# Altium PCB STLINK_V1.0.1.PcbDoc (continued)
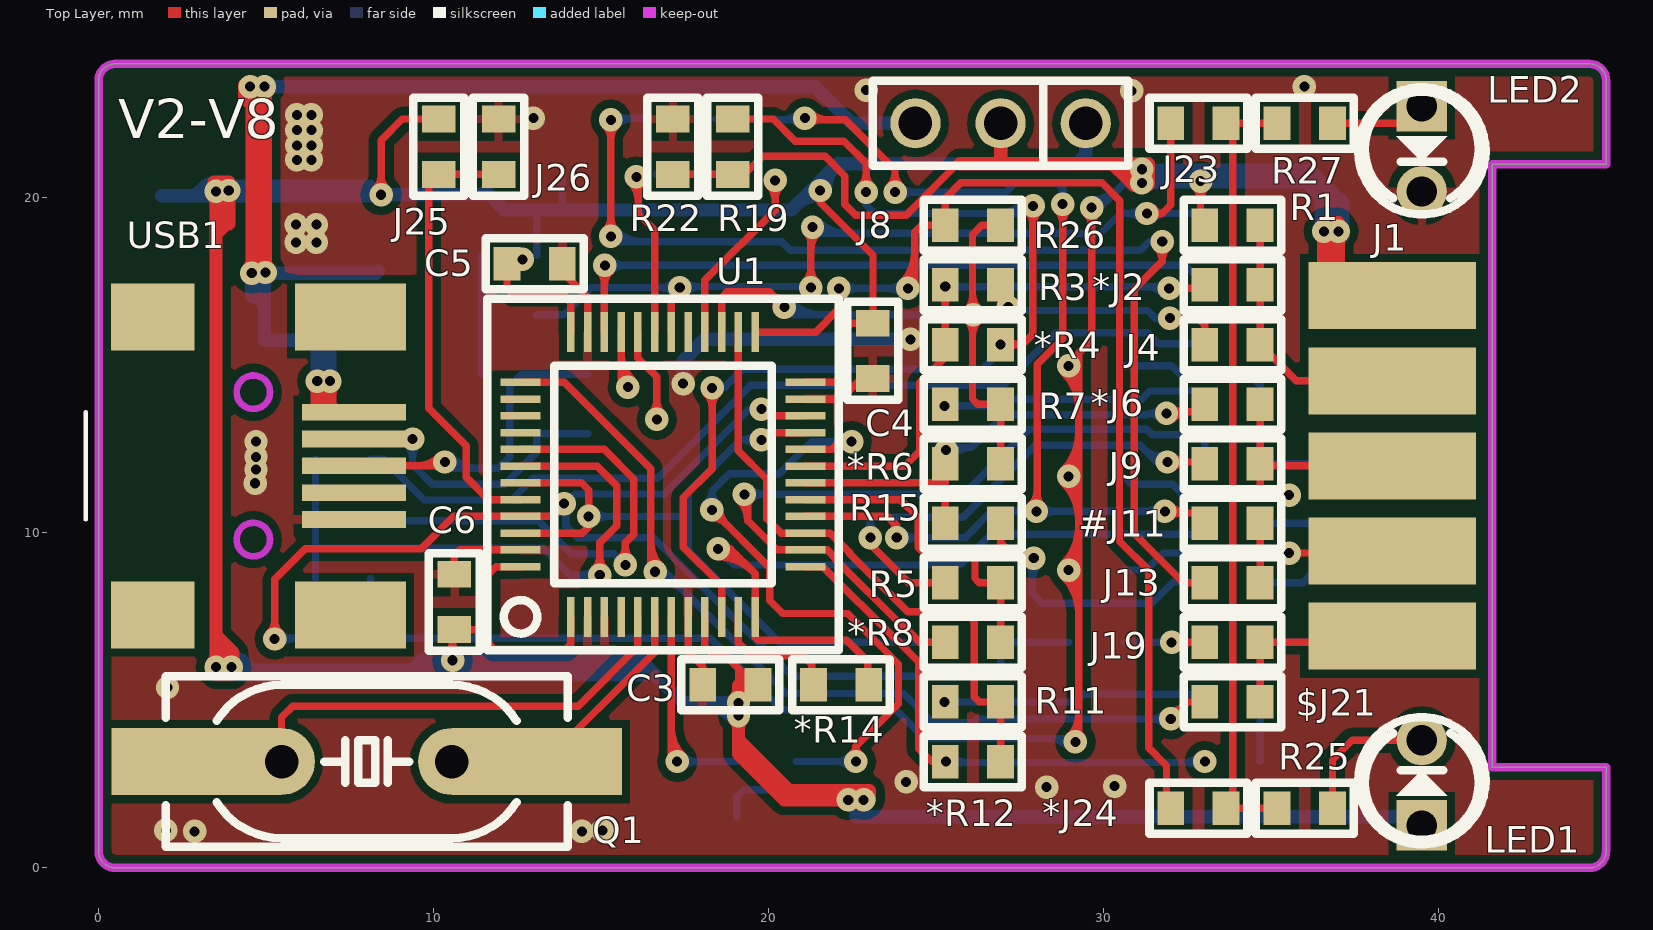
[diagram p0: Top Layer view]
## Nets (pads, with @x,y where several pads share a name; then routed paths per layer and width w, separated by ;. In a path a pad name is that pad's centre, name@x,y a point inside that pad or via, vN(x,y) a via of type N, cw(c..) or ccw(c..) an arc to the next point about the centre after c; other vN are vias at no path point) (continued)
  Bottom Layer w0.22: *J22.2 13.894,16.51 14.707,17.323 v1(17.348,17.323) 17.378,17.353 21.23,17.353 v1(21.26,17.323) ; v1@17.178,17.153 ccw(c16.769,16.743) 16.769,17.323 ccw(c16.769,17.902) v1@17.178,17.493 ; v1@17.518,17.153 cw(c18,16.671) 18,17.353 ; v1@17.518,17.493 ccw(c17.856,17.83) 17.856,17.353 ; v1(21.311,19.126) 21.488,18.948 29.921,18.948 30.505,19.533 v1(31.293,19.533) #J16.2@32.664,19.533 ; v1@21.325,19.14 ccw(c21.788,19.604) 21.788,18.948 ; v1@21.48,19.296 ccw(c22.319,20.135) 22.319,18.948 ; v1@31.123,19.363 ccw(c30.713,18.953) 30.713,19.533 ccw(c30.713,20.112) v1@31.123,19.702 ; v1@31.463,19.363 cw(c31.872,18.953) 31.872,19.533 cw(c31.872,20.112) v1@31.463,19.702
RST: R23.2 U1.41 | length 15.5
  Top Layer w0.22: U1.41 15.091,12.493 15.977,11.608 15.977,9.957 15.723,9.703 v1(15.723,9.042) ; v1@15.553,9.212 ccw(c15.143,9.622) 15.723,9.622 ccw(c16.302,9.622) v1@15.892,9.212
  Bottom Layer w0.22: R23.2@8.128,10.507 8.272,10.363 13.122,10.363 14.104,9.381 15.384,9.381 v1(15.723,9.042)
RST_IN: R17.2 R23.1 R24.2 U1.42 | length 20.2
  Top Layer w0.22: U1.42 14.88,11.993 15.469,11.405 15.469,10.211 14.961,9.703 v1(14.961,8.738) ; v1@14.791,8.907 ccw(c14.381,9.317) 14.961,9.317 ccw(c15.54,9.317) v1@15.13,8.907
  Bottom Layer w0.22: R17.2 R24.2 ; 6.503,9.55 13.265,9.55 14.077,8.738 v1(14.961,8.738) ; v1@14.791,8.568 ccw(c14.381,8.158) 14.381,8.738 ccw(c14.381,9.317) v1@14.791,8.907
SWCLK: *J3.1 J1.10 J5.1 R2.2 | length 7.3
  Bottom Layer w0.22: *J3.1 R2.2 J1.10@38.419,6.731
SWCLK_V: J5.2 R11.2 | length 8.5
  Bottom Layer w0.22: v1(25.248,4.953) 29.159,4.953 29.388,5.182 32.106,5.182 J5.2@32.791,5.182 ; v1@25.417,4.783 cw(c25.827,4.374) 25.827,4.953 cw(c25.827,5.532) v1@25.417,5.123
SWDIO: *J7.1 J1.6 J10.1 R10.2 | length 10.5
  Bottom Layer w0.22: R10.2 32.029,14.986 32.308,14.707 34.366,14.707 34.671,14.402 J10.1 *J7.1 J1.6@38.543,12.065
SWDIO_V: J10.2 R7.2 | length 8.5
  Bottom Layer w0.22: v1(25.248,13.792) 26.634,13.792 26.812,13.97 27.191,13.97 27.224,14.004 27.258,14.004 27.271,13.99 31.135,13.99 31.378,14.233 J10.2@32.63,14.233 ; v1@25.417,13.622 cw(c25.827,13.213) 25.827,13.792 cw(c25.827,14.372) v1@25.417,13.962
SWDIO_V2: *J24.2 R26.2 U1.25 | length 37.8
  Top Layer w0.22: U1.25 21.403,15.993 22.098,16.688 v1(22.098,17.297) ; v1@21.928,17.128 cw(c21.519,16.718) 22.098,16.718 cw(c22.677,16.718) v1@22.268,17.128 ; v1@23.986,17.467 ccw(c23.085,18.367) 24.359,18.367 ; v1@24.141,17.312 ccw(c23.617,17.836) 24.359,17.836 ; v1(24.155,17.297) 24.359,17.297 24.359,18.974 24.562,19.177 R26.2 25.273,19.98 25.74,20.447 29.949,20.447 30.48,19.916 30.48,17.462 30.472,17.454 30.472,9.752 31.344,8.88 31.344,3.581 31.877,3.048 31.877,1.905 *J24.2
  Bottom Layer w0.22: v1(22.098,17.297) v1(24.155,17.297) ; v1@22.268,17.128 cw(c22.677,16.718) 22.677,17.297 cw(c22.677,17.877) v1@22.268,17.467 ; v1@23.986,17.128 ccw(c23.576,16.718) 23.576,17.297 ccw(c23.576,17.877) v1@23.986,17.467
SWIM: R20.2 U1.21 U1.43 U1.46 | length 24.9
  Top Layer w0.22: U1.46 14.438,9.993 14.63,10.185 14.63,11.278 14.415,11.493 U1.43 ; v1(19.787,12.776) 20.003,12.993 U1.21
  Bottom Layer w0.22: v1(14.63,10.49) 17.602,10.49 ; v1@14.8,10.32 cw(c15.21,9.911) 15.21,10.49 cw(c15.21,11.07) v1@14.8,10.66 ; v1@19.617,12.606 ccw(c19.207,12.197) 19.207,12.776 ccw(c19.207,13.356) v1@19.617,12.946 ; v1(19.787,12.776) 19.171,12.776 17.602,11.207 17.602,9.449 20.32,6.731 R20.2
SWIM_IN: R18.2 R20.1 R21.2 U1.22 U1.45 | length 42.4
  Top Layer w0.22: v1@5.088,7.002 ccw(c4.678,7.412) 5.258,7.412 ccw(c5.837,7.412) v1@5.428,7.002 ; v1(5.258,6.833) 5.258,8.611 6.172,9.525 9.627,9.525 10.595,10.493 U1.45 13.516,10.493 ; v1@13.654,10.857 cw(c13.179,10.83) 13.516,10.493 ; v1@13.88,10.632 ccw(c13.852,10.156) 13.516,10.493 ; v1(13.894,10.871) 13.516,10.493 ; v1(19.787,13.691) 19.893,13.691 20.091,13.493 U1.22
  Bottom Layer w0.22: v1@5.283,6.858 R18.2 ; v1@5.428,6.663 cw(c5.899,6.192) 5.899,6.858 ; v1@5.428,7.002 ccw(c5.776,7.351) 5.776,6.858 ; v1@19.568,13.592 ccw(c19.416,13.524) 19.416,13.691 ; v1@19.568,13.789 cw(c19.416,13.857) 19.416,13.691 ; v1(19.787,13.691) 19.416,13.691 ; R21.2 R20.1 26.924,5.918 26.721,5.715 20.706,5.715 16.566,9.855 14.3,9.855 13.945,10.211 13.945,10.871 14.233,11.159 16.884,11.159 19.416,13.691
SWIM_S8: $J21.1 J1.9 J19.1 | length 5.8
  Top Layer w0.22: $J21.1 J19.1 38.419,6.731 J1.9
SWIM_V2: J19.2 R21.1 | length 3.3
  Top Layer w0.22: v1(32.029,6.731) J19.2 ; v1@32.199,6.561 cw(c32.609,6.152) 32.609,6.731 cw(c32.609,7.31) v1@32.199,6.901
  Bottom Layer w0.22: R21.1 v1(32.029,6.731)
SWO_V: J13.2 R13.2 | length 38.3
  Top Layer w0.22: v1@15.121,19.017 ccw(c14.711,19.426) 15.291,19.426 ccw(c15.87,19.426) v1@15.461,19.017 ; v1@15.121,22.157 cw(c14.711,21.747) 15.291,21.747 cw(c15.87,21.747) v1@15.461,22.157 ; v1(15.291,18.847) v1(15.291,22.327) ; v1@31.58,18.525 cw(c31.171,18.115) 31.75,18.115 cw(c32.329,18.115) v1@31.92,18.525 ; v1(31.75,18.694) 31.75,18.11 30.912,17.272 30.912,9.982 32.385,8.509 J13.2
  Bottom Layer w0.22: v1(15.291,18.847) 15.443,18.694 20.396,18.694 20.65,18.44 31.1,18.44 31.354,18.694 ; v1@15.305,18.861 ccw(c15.707,19.263) 15.707,18.694 ; v1@15.418,22.377 R13.2@16.281,22.377 ; v1@15.461,19.017 ccw(c16.238,19.794) 16.238,18.694 ; v1@15.461,22.157 cw(c15.993,21.625) 15.993,22.377 ; v1@15.461,22.496 ccw(c15.748,22.783) 15.748,22.377 ; v1@31.537,18.583 ccw(c31.354,18.487) 31.354,18.694 ; v1@31.537,18.806 cw(c31.354,18.902) 31.354,18.694 ; v1(31.75,18.694) 31.354,18.694
TCKIN: *J3.2 *R12.2 U1.13 | length 18.2
  Top Layer w0.22: U1.13 21.62,8.993 23.808,6.805 23.827,6.805 24.486,6.147 24.486,3.556 24.867,3.175 ; *R12.2@25.095,3.048 ccw(c24.867,2.907) 24.867,3.175 ; *R12.2@25.095,3.302 cw(c24.867,3.443) 24.867,3.175 ; *R12.2 24.867,3.175
  Bottom Layer w0.22: v1(25.298,3.175) 25.328,3.145 32.99,3.145 v1(33.02,3.175) ; v1@25.468,3.005 cw(c25.806,2.668) 25.806,3.145 ; v1@25.468,3.345 ccw(c25.95,3.826) 25.95,3.145 ; 32.369,3.145 ccw(c32.369,3.826) *J3.2@32.85,3.345 ; 32.513,3.145 cw(c32.513,2.668) *J3.2@32.85,3.005
TCKOUT: *R12.1 R11.1 U1.15 U1.26 | length 18.3
  Top Layer w0.22: U1.26 19.097,12.45 19.939,11.608 19.939,10.427 20.373,9.993 U1.15 21.839,9.993 22.427,9.405 22.427,9.374 24.156,7.645 25.858,7.645 26.137,7.366 26.137,5.105 26.289,4.953 R11.1 *R12.1
TDI: *J6.1 J1.5 J9.1 R9.2 | length 12.5
  Top Layer w0.22: *J6.1 J9.1 ; v1(35.538,11.126) 35.555,11.126 35.555,11.122 35.538,11.122 35.484,11.176 34.849,11.176 34.671,11.354 J9.1 ; J1.5 34.736,12 J9.1
  Bottom Layer w0.22: R9.2 30.84,11.451 32.064,11.451 32.364,11.151 v1@35.459,11.151
TDI_V: J9.2 R5.2 | length 16.9
  Top Layer w0.22: v1@23.089,9.601 24.181,8.509 R5.2 ; v1@32.072,11.946 cw(c32.482,11.536) 32.482,12.116 cw(c32.482,12.695) v1@32.072,12.286 ; v1@32.106,12.116 J9.2@32.969,12.116
  Bottom Layer w0.22: v1@22.885,10.041 ccw(c22.62,10.363) 23.038,10.363 ; v1(23.038,9.855) 23.038,10.363 ; v1@23.19,10.041 cw(c23.455,10.363) 23.038,10.363 ; 31.246,12.459 ccw(c31.623,12.836) v1@31.816,12.34 ; 31.485,12.221 ccw(c31.756,12.492) v1@31.895,12.134 ; v1@32.106,12.116 31.59,12.116 31.09,12.616 27.957,12.616 25.811,10.469 23.144,10.469 23.038,10.363
  other v1: 31.902,12.116
TDIIN: *J6.2 *R6.2 R15.1 U1.18 | length 17.3
  Top Layer w0.22: U1.18 25.261,11.493 ; *R6.2@25.195,12.255 cw(c25.116,12.09) *R6.2@25.298,12.09 ; R15.1 *R6.2 *R6.2@25.298,12.09 ; v1(25.298,12.471) *R6.2@25.298,12.09 ; *R6.2@25.402,12.255 ccw(c25.481,12.09) *R6.2@25.298,12.09 ; v1@32.047,13.394 cw(c32.579,12.862) 32.579,13.614 ; v1@32.047,13.733 ccw(c32.334,14.02) 32.334,13.614 ; v1@32.106,13.614 *J6.2@32.791,13.614
  Bottom Layer w0.22: v1@25.273,12.548 26.06,12.548 ; v1@25.468,12.302 cw(c26.06,11.713) 26.06,12.548 ; v1@25.468,12.641 ccw(c25.694,12.867) 25.694,12.548 ; v1@31.7,13.401 ccw(c31.331,13.062) 31.331,13.564 ; v1@31.7,13.726 cw(c31.331,14.065) 31.331,13.564 ; v1@32.055,13.564 31.331,13.564 ; 26.06,12.548 27.042,13.53 31.298,13.53 31.331,13.564
  other v1: 31.877,13.564
TDIOUT: *R6.1 R7.1 R26.1 U1.27 | length 23.2
  Top Layer w0.22: U1.27 18.597,17.022 18.771,17.196 20.015,17.196 v1(20.472,16.739) ; v1@20.232,16.739 ccw(c19.653,16.739) 20.063,17.148 ccw(c20.472,17.558) v1@20.472,16.979 ; v1@25.937,16.34 cw(c25.578,15.982) 26.086,15.982 ; v1@25.937,16.68 ccw(c25.578,17.038) 26.086,17.038 ; 26.086,15.88 cw(c26.737,15.88) v1@26.277,16.34 ; 26.086,17.14 ccw(c26.737,17.14) v1@26.277,16.68 ; *R6.1 R7.1 26.238,13.843 26.086,13.995 26.086,18.898 26.365,19.177 R26.1
  Bottom Layer w0.22: v1(20.472,16.739) 20.701,16.51 26.086,16.51 26.162,16.434 26.238,16.434 26.238,16.51 v1(26.107,16.51) ; v1@20.487,16.753 ccw(c21.073,17.339) 21.073,16.51 ; v1@20.642,16.908 ccw(c21.604,17.87) 21.604,16.51 ; v1@25.937,16.34 ccw(c25.527,15.931) 25.527,16.51 ccw(c25.527,17.089) v1@25.937,16.68
TDO: #J11.1 J1.7 J13.1 R16.2 | length 12.6
  Top Layer w0.22: J13.1 34.671,9.423 ; #J11.1 34.671,9.423 ; 34.894,9.423 cw(c34.894,8.757) v1@35.365,9.228 ; 35.017,9.423 ccw(c35.017,9.916) v1@35.365,9.568 ; v1@35.509,9.423 34.671,9.423 ; v1(35.535,9.398) J1.7@38.546,9.398
  Bottom Layer w0.22: R16.2 31.267,8.89 31.775,9.398 v1(35.535,9.398) ; v1@35.365,9.228 ccw(c34.955,8.819) 34.955,9.398 ccw(c34.955,9.977) v1@35.365,9.568
TDOIN: #J11.2 #J15.1 *J17.1 U1.16 | length 45.8
  Top Layer w0.22: v1(21.082,22.377) 21.031,22.327 22.286,22.327 23.774,20.838 v1(23.774,20.168) ; U1.16 23.543,10.493 23.825,10.211 ; v1@21.252,22.208 cw(c21.539,21.921) 21.539,22.327 ; v1@21.252,22.547 ccw(c21.784,23.079) 21.784,22.327 ; v1@23.605,20.337 ccw(c23.195,20.747) 23.774,20.747 ccw(c24.354,20.747) v1@23.944,20.337 ; 23.651,10.385 cw(c23.246,9.98) v1@23.806,9.859 ; v1@23.735,10.078 ccw(c23.682,10.211) 23.825,10.211 ; v1(23.825,9.855) 23.825,10.211 ; v1@23.915,10.078 cw(c23.969,10.211) 23.825,10.211 ; v1@27.821,10.812 ccw(c27.35,11.283) 28.016,11.283 ; v1(27.991,10.643) 27.991,10.82 28.016,10.846 28.016,15.037 28.778,15.799 v1(28.778,19.812) ; 28.016,11.161 ccw(c28.509,11.161) v1@28.161,10.812 ; v1@28.608,19.642 cw(c28.199,19.233) 28.778,19.233 cw(c29.358,19.233) v1@28.948,19.642 ; v1@31.996,10.473 cw(c32.283,10.186) 32.283,10.592 ; v1@31.996,10.812 ccw(c32.528,11.345) 32.528,10.592 ; v1@32.106,10.592 #J11.2@32.715,10.592
  Bottom Layer w0.22: #J15.1 *J17.1 ; *J17.1@20.218,22.327 21.031,22.327 v1(21.082,22.377) ; *J17.1@20.38,22.327 ccw(c20.38,23.079) v1@20.912,22.547 ; *J17.1@20.625,22.327 cw(c20.625,21.921) v1@20.912,22.208 ; v1(23.774,20.168) 27.076,20.168 27.35,20.441 28.606,20.441 28.778,20.269 ; v1(23.825,9.855) 25.867,9.855 26.655,10.643 v1@32.055,10.643 ; v1@23.944,19.998 cw(c24.354,19.588) 24.354,20.168 cw(c24.354,20.747) v1@23.944,20.337 ; v1@23.995,9.685 cw(c24.405,9.276) 24.405,9.855 cw(c24.405,10.435) v1@23.995,10.025 ; v1@27.821,10.473 ccw(c27.411,10.063) 27.411,10.643 ccw(c27.411,11.222) v1@27.821,10.812 ; v1@28.161,10.473 cw(c28.57,10.063) 28.57,10.643 cw(c28.57,11.222) v1@28.161,10.812 ; v1@28.642,20.01 ccw(c28.463,20.269) 28.778,20.269 ; v1(28.778,19.812) 28.778,20.269 ; v1@28.914,20.01 cw(c29.094,20.269) 28.778,20.269 ; v1@31.656,10.473 ccw(c31.247,10.063) 31.247,10.643 ccw(c31.247,11.222) v1@31.656,10.812
  other v1: 31.826,10.643
TDOIN1: #J15.2 R13.1 U1.31 | length 7.6
  Top Layer w0.22: v1@15.883,20.455 cw(c15.351,19.923) 16.104,19.923 ; v1(16.053,20.625) 16.104,20.676 16.104,19.533 16.597,19.039 U1.31 ; 16.104,20.168 cw(c16.51,20.168) v1@16.223,20.455
  Bottom Layer w0.22: R13.1 #J15.2
TDOIN2: *J17.2 U1.28 | length 6.3
  Top Layer w0.22: U1.28 18.097,17.538 20.193,19.634 v1(20.193,20.523) ; v1@20.023,20.353 cw(c19.614,19.944) 20.193,19.944 cw(c20.772,19.944) v1@20.363,20.353
TMSIN: *J7.2 *R8.2 U1.14 | length 25.4
  Top Layer w0.22: v1@19.113,10.977 cw(c18.524,10.361) 19.376,10.361 ; v1(19.279,11.151) 19.376,11.053 19.376,10.367 20.25,9.493 U1.14 21.745,9.493 22.007,9.231 22.007,9.2 23.982,7.225 24.017,7.225 24.511,6.731 *R8.2 ; 19.376,10.806 cw(c19.623,10.806) v1@19.448,10.981
  Bottom Layer w0.22: v1(19.279,11.151) 25.822,11.151 27.761,13.09 31.287,13.09 31.448,12.929 32.791,12.929 33.02,12.7 *J7.2 ; v1@19.448,10.981 cw(c19.858,10.571) 19.858,11.151 cw(c19.858,11.73) v1@19.448,11.32
TMSOUT: *R8.1 R5.1 U1.17 | length 9.5
  Top Layer w0.22: U1.17 23.932,10.993 24.46,10.465 24.46,9.576 24.663,9.373 25.984,9.373 26.162,9.195 26.162,8.636 26.289,8.509 R5.1 *R8.1
TRESIN: *J18.2 *R14.2 U1.12 | length 26.4
  Top Layer w0.22: v1@18.491,9.285 cw(c18.491,7.84) 19.513,8.862 ; v1@18.491,9.505 cw(c18.491,8.591) 19.137,9.237 ; v1(18.491,9.525) 18.85,9.525 ; v1@18.505,9.51 cw(c18.684,9.321) 18.869,9.506 ; v1@18.656,9.351 cw(c18.84,9.157) 19.029,9.346 ; v1@18.713,9.434 cw(c18.85,9.377) 18.85,9.525 ; v1@18.713,9.616 ccw(c18.85,9.673) 18.85,9.525 ; *R14.2@22.962,5.461 22.962,6.172 22.335,6.799 19.688,6.799 19.597,6.89 U1.12 19.597,8.778 18.85,9.525
  Bottom Layer w0.22: v1@18.491,9.285 cw(c18.491,8.706) 18.901,9.115 cw(c19.311,9.525) v1@18.731,9.525 ; v1(18.491,9.525) 18.974,9.042 25.725,9.042 26.639,9.957 *J18.2@32.69,9.957
TRESOUT: *R14.1 U1.11 | length 3.7
  Top Layer w0.22: U1.11 19.097,6.719 19.491,6.325 21.031,6.325 21.285,6.071 *R14.1@21.285,5.639
TRSI: *J2.1 J1.3 J4.1 R1.2 | length 7.9
  Top Layer w0.22: R1.2 J4.1 35.752,14.54 J1.3
TRSI_V: J4.2 R3.2 | length 9.8
  Top Layer w0.22: v1@26.949,16.637 26.949,17.374 ccw(c27.386,17.374) R3.2@27.235,16.964 ; R3.2@26.949,17.058 ccw(c27.27,17.058) v1@27.159,16.757 ; v1(31.979,16.408) 32.817,16.408 33.02,16.205 J4.2 ; v1@32.148,16.239 cw(c32.558,15.829) 32.558,16.408 cw(c32.558,16.988) v1@32.148,16.578
  Bottom Layer w0.22: v1@27.127,16.688 27.178,16.637 31.313,16.637 31.541,16.408 ; v1@31.776,16.28 ccw(c31.541,16.13) 31.541,16.408 ; v1@31.776,16.537 cw(c31.541,16.687) 31.541,16.408 ; v1(31.979,16.408) 31.541,16.408
  other v1: 27.153,16.739
TRSTIN: *J2.2 *R4.2 R3.1 U1.19 | length 20.1
  Top Layer w0.22: U1.19 24.058,11.993 24.509,12.444 24.509,14.476 25.273,15.24 R3.1 ; R3.1@25.103,17.178 cw(c24.694,16.769) 25.273,16.769 cw(c25.852,16.769) R3.1@25.443,17.178 ; v1(31.953,17.297) *J2.2@32.918,17.297 ; v1@32.123,17.128 cw(c32.533,16.718) 32.533,17.297 cw(c32.533,17.877) v1@32.123,17.467
  Bottom Layer w0.22: v1(25.273,17.348) v1@31.928,17.348 ; v1@25.443,17.178 cw(c25.852,16.769) 25.852,17.348 cw(c25.852,17.928) v1@25.443,17.518 ; 31.251,17.348 cw(c31.251,16.595) v1@31.783,17.128 ; 31.496,17.348 ccw(c31.496,17.754) v1@31.783,17.467
TRSTOUT: *R4.1 R19.2 U1.10 | length 39.8
  Top Layer w0.22: v1@18.144,14.156 cw(c17.734,13.746) 18.313,13.746 cw(c18.893,13.746) v1@18.483,14.156 ; v1(18.313,14.326) 18.313,11.918 17.45,11.055 17.45,9.576 18.597,8.429 U1.10 ; R19.2 20.137,22.352 20.798,21.692 22.25,21.692 22.911,21.031 v1(22.911,20.168) ; v1@22.741,20.337 ccw(c22.331,20.747) 22.911,20.747 ccw(c23.49,20.747) v1@23.081,20.337 ; v1(26.924,15.621) 27.584,15.621 27.889,15.926 27.889,19.736 27.864,19.761 v1(27.894,19.761) ; *R4.1@27.094,15.451 cw(c27.503,15.042) 27.503,15.621 cw(c27.503,16.2) *R4.1@27.094,15.791 ; v1@27.724,19.591 cw(c27.326,19.193) 27.889,19.193 ; 27.889,19.17 cw(c28.485,19.17) v1@28.064,19.591
  Bottom Layer w0.22: v1@18.334,14.346 18.689,14.346 ; v1@18.522,14.444 ccw(c18.689,14.538) 18.689,14.346 ; v1@18.538,14.241 cw(c18.689,14.184) 18.689,14.346 ; v1@22.807,19.951 cw(c22.728,19.787) 22.911,19.787 ; v1(22.911,20.168) 22.911,19.787 ; v1@23.014,19.951 ccw(c23.093,19.787) 22.911,19.787 ; 26.484,14.983 ccw(c25.98,15.488) v1@26.686,15.587 ; 26.763,19.533 ccw(c26.763,20.892) v1@27.724,19.931 ; v1@26.949,15.773 26.949,15.448 26.385,14.884 19.228,14.884 18.689,14.346 ; 27.294,19.533 ccw(c27.294,20.361) v1@27.88,19.775 ; v1(27.894,19.761) 27.864,19.761 27.635,19.533 23.165,19.533 22.911,19.787
TVCC: J1.1 J8.2 R1.1 R9.1 R10.1 R16.1 R17.1 R18.1 R19.1 R22.1 | length 131.4
  Top Layer w0.22: R22.1 R19.1 19.279,20.701 19.816,21.239 21.687,21.239 22.276,20.65 22.276,19.812 22.606,19.482 24.105,19.482 25.679,21.057 ; J8.2@26.67,22.225 J8.2 J8.2@26.924,22.581 ; v1@28.786,8.72 cw(c27.662,7.596) 29.252,7.596 ; v1@28.786,9.06 ccw(c27.662,10.184) 29.252,10.184 ; v1@28.786,11.514 cw(c27.662,10.39) 29.252,10.39 ; v1@28.786,11.854 ccw(c27.662,12.978) 29.252,12.978 ; v1@28.786,14.816 cw(c27.662,13.692) 29.252,13.692 ; v1@28.942,8.876 cw(c28.193,8.127) 29.252,8.127 ; v1@28.942,8.904 ccw(c28.193,9.653) 29.252,9.653 ; v1@28.942,11.67 cw(c28.193,10.921) 29.252,10.921 ; v1@28.942,11.698 ccw(c28.193,12.447) 29.252,12.447 ; v1@28.942,14.972 cw(c28.193,14.223) 29.252,14.223 ; v1@28.989,3.929 ccw(c28.355,4.563) 29.252,4.563 ; v1@29.097,8.749 ccw(c28.724,9.122) 29.252,9.122 ; v1@29.097,9.031 cw(c28.724,8.658) 29.252,8.658 ; v1@29.097,11.543 ccw(c28.724,11.916) 29.252,11.916 ; v1@29.097,11.825 cw(c28.724,11.452) 29.252,11.452 ; v1@29.097,15.127 cw(c28.724,14.754) 29.252,14.754 ; v1(29.159,3.759) 29.252,3.852 29.252,15.358 29.642,15.748 29.642,19.812 29.678,19.776 29.678,19.747 v1(29.642,19.71) ; 29.252,4.114 ccw(c29.514,4.114) v1@29.329,3.929 ; v1@29.472,19.541 cw(c29.062,19.131) 29.642,19.131 cw(c30.221,19.131) v1@29.812,19.541 ; 30.143,21.021 30.717,20.447 30.861,20.303 31.247,20.303 v1@31.333,20.39 ; 30.699,20.758 cw(c30.699,20.318) v1@31.121,20.441 ; 30.79,20.758 cw(c30.79,20.503) v1@30.971,20.684 ; v1@30.91,20.38 ccw(c30.406,20.233) 30.406,20.758 ; v1@30.959,21.011 cw(c30.406,21.492) 30.406,20.758 ; v1@31.238,20.758 30.406,20.758 ; v1@32.723,20.328 cw(c32.318,19.923) 32.891,19.923 ; 32.891,19.914 cw(c33.477,19.914) v1@33.063,20.328 ; v1@32.891,20.244 32.891,19.306 R1.1 ; J1.1@38.495,17.08 J1.1
  Top Layer w0.4: 25.715,21.021 v1@31.333,21.021 ; 26.924,21.021 J8.2 ; 30.374,21.021 cw(c30.374,20.087) 31.034,20.747 cw(c30.778,20.491) 31.14,20.491 cw(c31.503,20.491) v1@31.246,20.747 ; v1@31.069,20.579 ccw(c30.832,21.021) v1@31.333,21.021 ; v1@31.097,20.71 cw(c30.999,20.39) v1@31.333,20.39 ; v1@31.333,20.432 v1@31.333,21.021 ; v1@36.489,18.877 cw(c35.775,17.872) J1.1@37.008,17.872 ; J1.1@36.576,17.825 cw(c37.902,17.825) v1@37.099,18.88 ; 36.576,18.632 cw(c37.287,18.632) v1@36.856,19.198 ; v1@36.682,18.893 ccw(c36.938,18.637) 36.576,18.637 ccw(c36.214,18.637) 36.47,18.893 cw(c35.723,18.147) 36.779,18.147 ; v1@36.721,19.203 cw(c36.326,18.647) 37.008,18.647 ; v1@36.726,18.989 cw(c37.008,18.97) v1@37.008,19.253 ; 36.779,18.106 cw(c37.872,18.106) v1@37.112,18.891 ; 36.779,18.136 v1@36.779,19.253 ; v1@36.858,18.989 ccw(c36.576,18.97) v1@36.576,19.253 ; v1@36.902,18.893 cw(c36.646,18.637) 37.008,18.637 cw(c37.37,18.637) v1@37.114,18.893 ; J1.1@36.982,17.932 37.008,17.958 v1@37.008,19.253 ; J1.1 37.403,17.08 36.576,17.907 v1@36.576,19.253 ; v1@36.576,19.253 v1@36.779,19.253 ; v1@36.779,19.253 v1@37.008,19.253
  Bottom Layer w0.22: R17.1 R18.1 18.263,6.858 20.396,4.724 23.8,4.724 24.663,3.861 29.058,3.861 v1(29.159,3.759) ; J8.2 J8.2@26.924,22.631 ; 28.335,3.861 cw(c28.335,2.935) v1@28.989,3.589 ; v1(29.642,19.71) 29.678,19.747 29.678,19.776 29.642,19.812 29.997,19.812 ; v1@29.642,19.73 ccw(c29.642,20.392) 30.11,19.924 ; v1@29.642,19.95 ccw(c29.642,21.143) 30.485,20.3 ; v1@29.882,19.701 cw(c29.997,19.696) 29.997,19.812 ; v1@30.955,20.295 ccw(c30.632,20.029) 30.632,20.447 ; v1@30.955,20.599 cw(c30.632,20.865) 30.632,20.447 ; v1(31.14,20.447) 30.632,20.447 ; 29.997,19.812 30.632,20.447
  Bottom Layer w0.4: v1@30.861,20.381 cw(c31.186,20.381) v1@31.155,20.704 ; v1@30.861,20.828 36.17,20.828 36.855,20.142 ; v1@30.964,20.624 cw(c31.457,20.131) v1@31.457,20.828 ; v1@30.964,20.677 ccw(c31.457,21.17) v1@31.457,20.472 ; v1(31.14,20.853) 30.861,20.853 30.861,20.472 36.043,20.472 36.5,20.015 v1@36.5,18.847 ; 31.564,20.472 ccw(c31.564,20.024) 31.246,20.341 cw(c32.422,19.165) 32.422,20.828 ; 31.564,20.828 cw(c31.564,21.277) 31.246,20.959 ccw(c32.422,22.135) 32.422,20.472 ; 31.734,20.828 cw(c31.734,19.338) v1@32.787,20.392 ; 32.47,20.472 ccw(c32.47,20.921) v1@32.787,20.604 ; 32.699,20.828 cw(c32.699,20.304) v1@33.07,20.675 ; v1@32.716,20.675 cw(c33.087,20.304) 33.087,20.828 ; v1@32.999,20.392 cw(c34.052,19.338) 34.052,20.828 ; v1@32.999,20.604 ccw(c33.316,20.921) 33.316,20.472 ; v1@36.47,19.105 ccw(c35.539,20.036) 36.855,20.036 ; 36.5,19.545 ccw(c37.122,19.545) v1@36.682,19.105 ; v1@36.702,19.081 ccw(c37.135,19.364) v1@37.135,18.847 ; v1@36.855,18.923 36.855,20.142 ; 36.855,19.729 ccw(c37.738,19.729) v1@37.114,19.105 ; v1@36.876,19.071 cw(c36.5,19.275) v1@36.5,18.847 ; v1@36.902,19.105 ccw(c36.339,19.668) 37.135,19.668 ; v1@36.5,18.847 v1@37.135,18.847 ; 36.855,20.142 37.135,19.863 v1@37.135,18.847
  other v1: 28.956,8.89 28.956,11.684 28.956,14.986 36.576,18.999 37.008,18.999 32.893,20.498
USBDM: R32.1 U1.32 | length 3.8
  Top Layer w0.22: U1.32 16.097,15.221 16.662,14.656 v1(16.662,13.386) ; v1@16.493,13.556 ccw(c16.083,13.965) 16.662,13.965 ccw(c17.242,13.965) v1@16.832,13.556
USBDM1: R31.1 R32.2 USB1.2 | length 8.1
  Bottom Layer w0.22: v1@9.203,12.632 cw(c8.793,12.222) 9.373,12.222 cw(c9.952,12.222) v1@9.542,12.632 ; v1(9.373,12.802) 9.373,12.04 9.957,11.455 12.131,11.455 13.081,12.405 R31.1 R32.2
USBDP: R30.1 U1.33 | length 3.3
  Top Layer w0.22: 15.597,14.887 ccw(c16.334,14.887) v1@15.813,14.365 ; U1.33@15.597,15.418 ccw(c16.865,15.418) v1@15.969,14.521 ; U1.33 15.597,14.553 v1(15.799,14.351)
USBDP1: R29.1 R30.2 USB1.3 | length 11.8
  Top Layer w0.22: USB1.3 10.222,12 v1(10.338,12.116) ; 9.479,12 ccw(c9.479,12.975) v1@10.168,12.286
  Bottom Layer w0.22: v1(10.338,12.116) 10.524,11.929 11.935,11.929 12.268,12.263 12.268,14.376 12.624,14.732 R29.1 R30.2 ; v1@10.352,12.13 ccw(c10.836,12.614) 10.836,11.929 ; v1@10.508,12.286 ccw(c11.367,13.145) 11.367,11.929
USBVCC: *J22.1 J29.1 R29.2 | length 3.6
  Bottom Layer w0.22: R29.2 J29.1
VCC: C8.2 C9.2 J8.3 U2.3 USB1.1 | length 65.8
  Top Layer w0.22: USB1.1@6.949,13.6 USB1.1
  Top Layer w0.4: 4.369,22.954 cw(c4.589,22.954) v1@4.549,23.17 ; v1@4.415,23.211 cw(c3.992,22.788) 4.59,22.788 ; v1@4.468,23.368 cw(c4.468,22.832) 4.847,23.211 cw(c4.53,22.894) 4.978,22.894 ; v1(4.572,17.755) 4.59,17.773 4.59,22.682 ; 4.59,18.161 cw(c4.166,18.161) 4.466,17.861 ccw(c3.229,19.098) 4.978,19.098 ; 4.59,19.071 ccw(c6.278,19.071) 5.084,17.878 cw(c5.341,18.134) 4.978,18.134 cw(c4.616,18.134) v1@4.872,17.878 ; v1@4.59,23.248 4.59,22.682 ; v1@4.645,23.233 cw(c4.902,23.057) 4.902,23.368 4.369,23.368 4.369,22.987 4.59,22.766 4.59,22.682 ; v1(4.978,17.772) v1@4.978,23.292 ; v1@6.422,14.423 cw(c6.166,14.167) 6.528,14.167 cw(c6.89,14.167) v1@6.634,14.423 ; v1@6.465,14.393 cw(c6.146,13.7) USB1.1@6.909,13.7 ; USB1.1@6.528,13.677 cw(c7.327,13.677) v1@6.975,14.394 ; v1(6.528,14.529) 6.528,13.767 6.695,13.6 USB1.1 7.101,13.6 6.909,13.792 v1(6.909,14.529) ; v1@6.803,14.423 cw(c6.547,14.167) 6.909,14.167 cw(c7.271,14.167) v1@7.015,14.423
  Bottom Layer w0.22: U2.3@8.349,17.805 U2.3
  Bottom Layer w0.4: v1@4.466,17.649 cw(c4.21,17.392) 4.572,17.392 cw(c4.934,17.392) v1@4.678,17.649 ; v1@4.484,17.633 cw(c3.824,16.717) 4.953,16.717 ; v1(4.521,23.317) 21.387,23.317 22.479,22.225 J8.3 ; 4.572,17.067 cw(c5.147,17.067) v1@5.013,17.626 ; v1@4.572,17.574 cw(c5.026,17.574) v1@4.92,18.015 ; v1(4.572,17.755) 4.572,17.196 4.953,16.815 4.953,16.789 ; v1@4.627,23.211 cw(c4.883,22.955) 4.883,23.317 cw(c4.883,23.679) v1@4.627,23.423 ; v1@4.678,17.861 ccw(c4.953,18.135) v1@4.953,17.747 ; v1@4.678,17.861 ccw(c4.954,18.136) v1@4.954,17.747 ; v1@4.718,17.957 cw(c4.387,17.499) v1@4.953,17.499 ; v1@4.847,23.211 ccw(c4.591,22.955) 4.591,23.317 ccw(c4.591,23.679) v1@4.847,23.423 ; 4.953,17.349 cw(c5.402,17.349) v1@5.084,17.666 ; v1@5.059,23.211 cw(c5.315,22.955) 5.315,23.317 cw(c5.315,23.679) v1@5.059,23.423 ; v1@5.084,17.878 ccw(c5.402,18.195) 5.402,17.747 ; v1@6.422,14.635 ccw(c6.166,14.891) 6.528,14.891 ccw(c6.89,14.891) v1@6.634,14.635 ; v1@6.453,14.659 ccw(c6.006,15.443) 6.909,15.443 v1(6.909,14.529) ; v1(6.528,14.529) 6.528,15.418 ccw(c7.387,15.418) v1@6.98,14.661 ; v1@6.528,14.748 ccw(c7.027,14.748) v1@6.79,14.309 ; C8.2@6.604,15.748 C9.2 4.953,16.789 ; v1@6.652,14.312 ccw(c6.399,14.754) v1@6.909,14.754 ; v1@6.803,14.635 ccw(c6.547,14.891) 6.909,14.891 ccw(c7.271,14.891) v1@7.015,14.635 ; U2.3@8.349,17.805 8.29,17.747 v1@4.953,17.747 ; 4.953,16.789 v1@4.953,17.747
  other v1: 4.953,23.317
pads on no net: U1.4 U1.29 U1.38 U1.39 U1.40 USB1.0 USB1.4

## Polygon pours and split planes (outlines as drawn)
GND on Top Layer "Bottom Layer-No Net" (solid, remove dead copper, pour order 1000): 0.025,24.011 0.025,0.008 45.034,0.008 45.034,24.011 0.025,24.011
GND on Bottom Layer "Bottom Layer-No Net" (solid, remove dead copper, pour order 1001): 0.023,23.995 45.032,23.995 45.032,-0.008 0.023,-0.008 0.023,23.995

## Keep-outs
Keep-Out Layer:
  the board outline again, w0.254

## Silkscreen, mask and mechanical layers (free items; w line width, h text height)
Top Overlay:
  circle w0.254: c39.5,21.4 r1.9
  circle w0.254: c39.5,2.6 r1.9
  text "V2-V8" at 0.584,21.387 h2
Bottom Overlay:
  lines w0.254: 28.118,12.649 27.813,12.954 ; 28.143,13.284 27.813,12.954 ; 32.334,12.675 29.134,12.675 28.854,12.954 27.813,12.954
Drill Drawing:
  text ".Legend" at 1.524,27.051 h1